# Altium PCB Dashcam BB V2.0 A.PcbDoc (part 1 of 2)
Units mm, origin at the board's own origin, x right, y up, seen from the top; angles counter-clockwise.
Board outline 37 x 25 mm, 4 copper layers (Top Layer, Internal L1, Internal L2, Bottom Layer), stack 1.542 mm thick; 284 components, 192 nets, 1111 pads, 0 vias.
Unrouted connection lines stored in the file: 658.
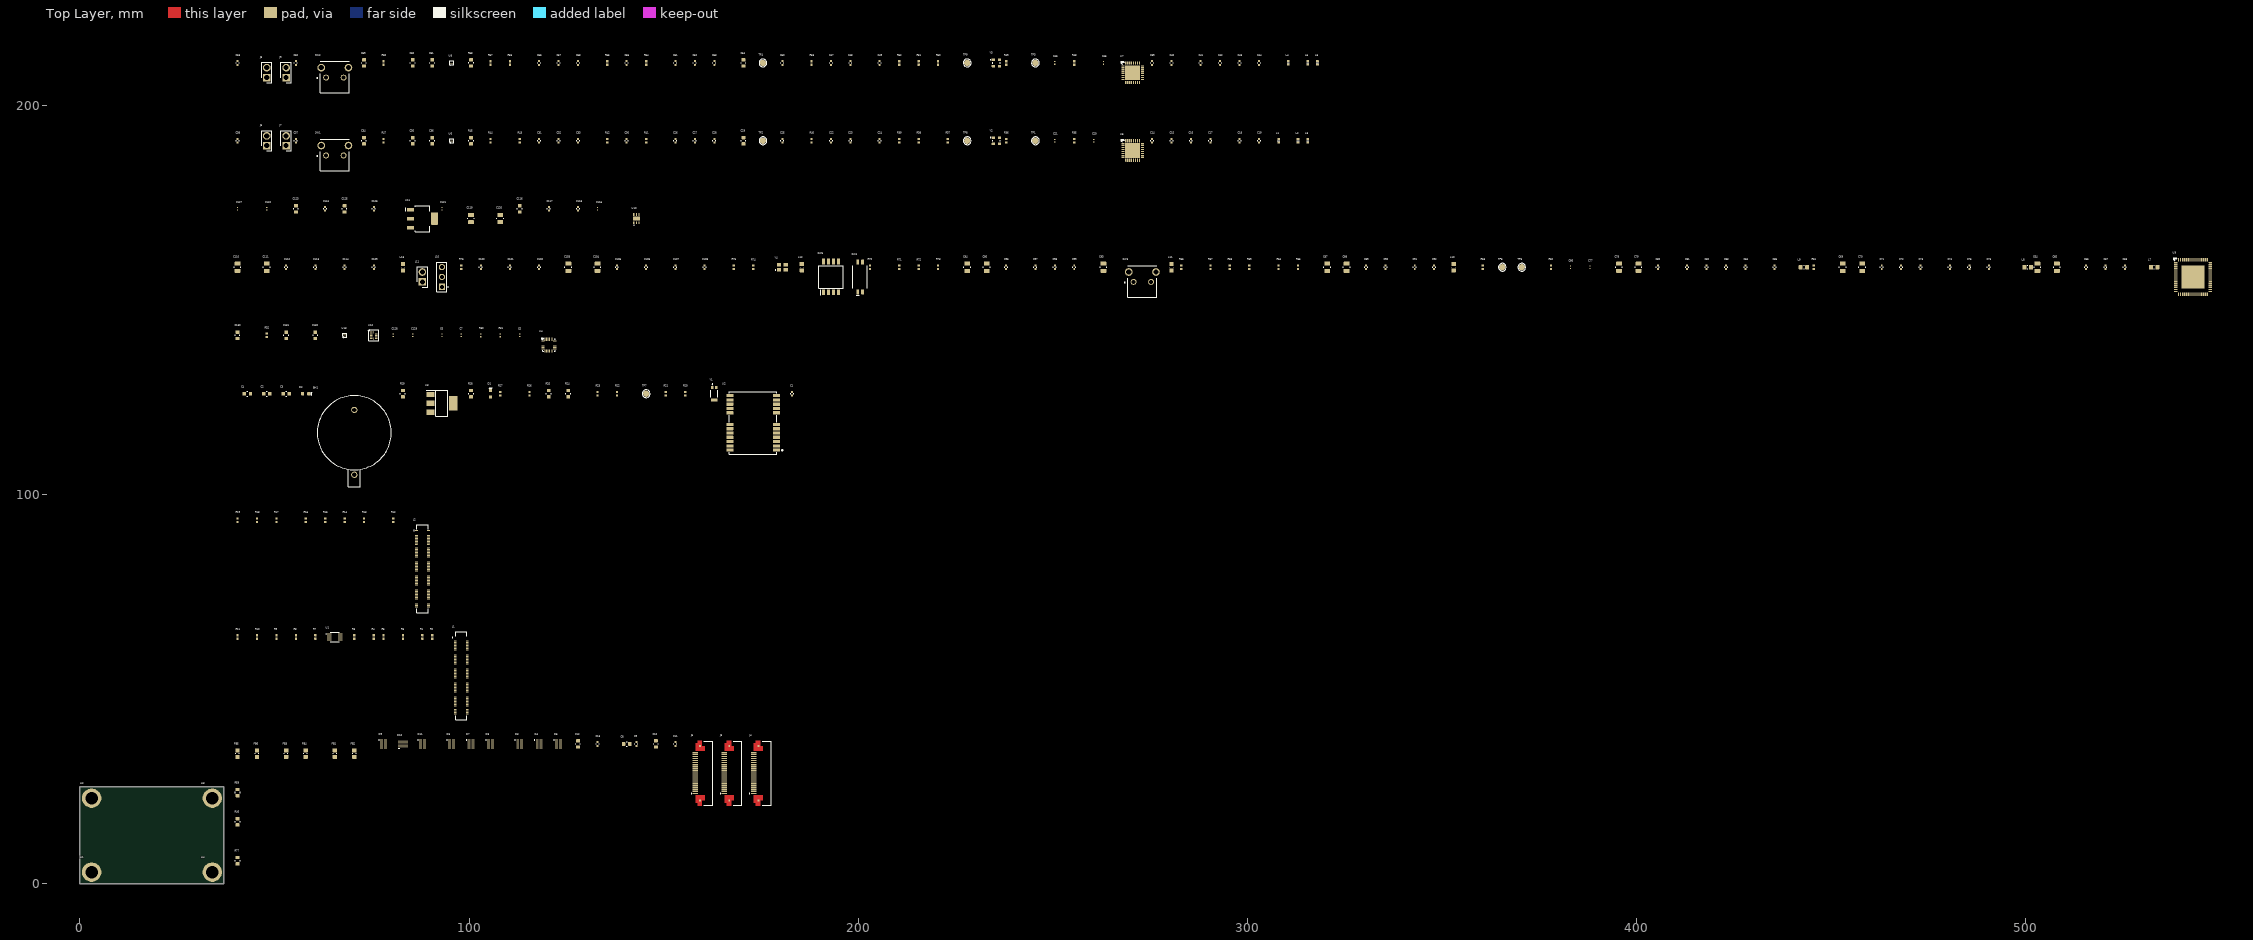
[diagram p0: Top Layer view]
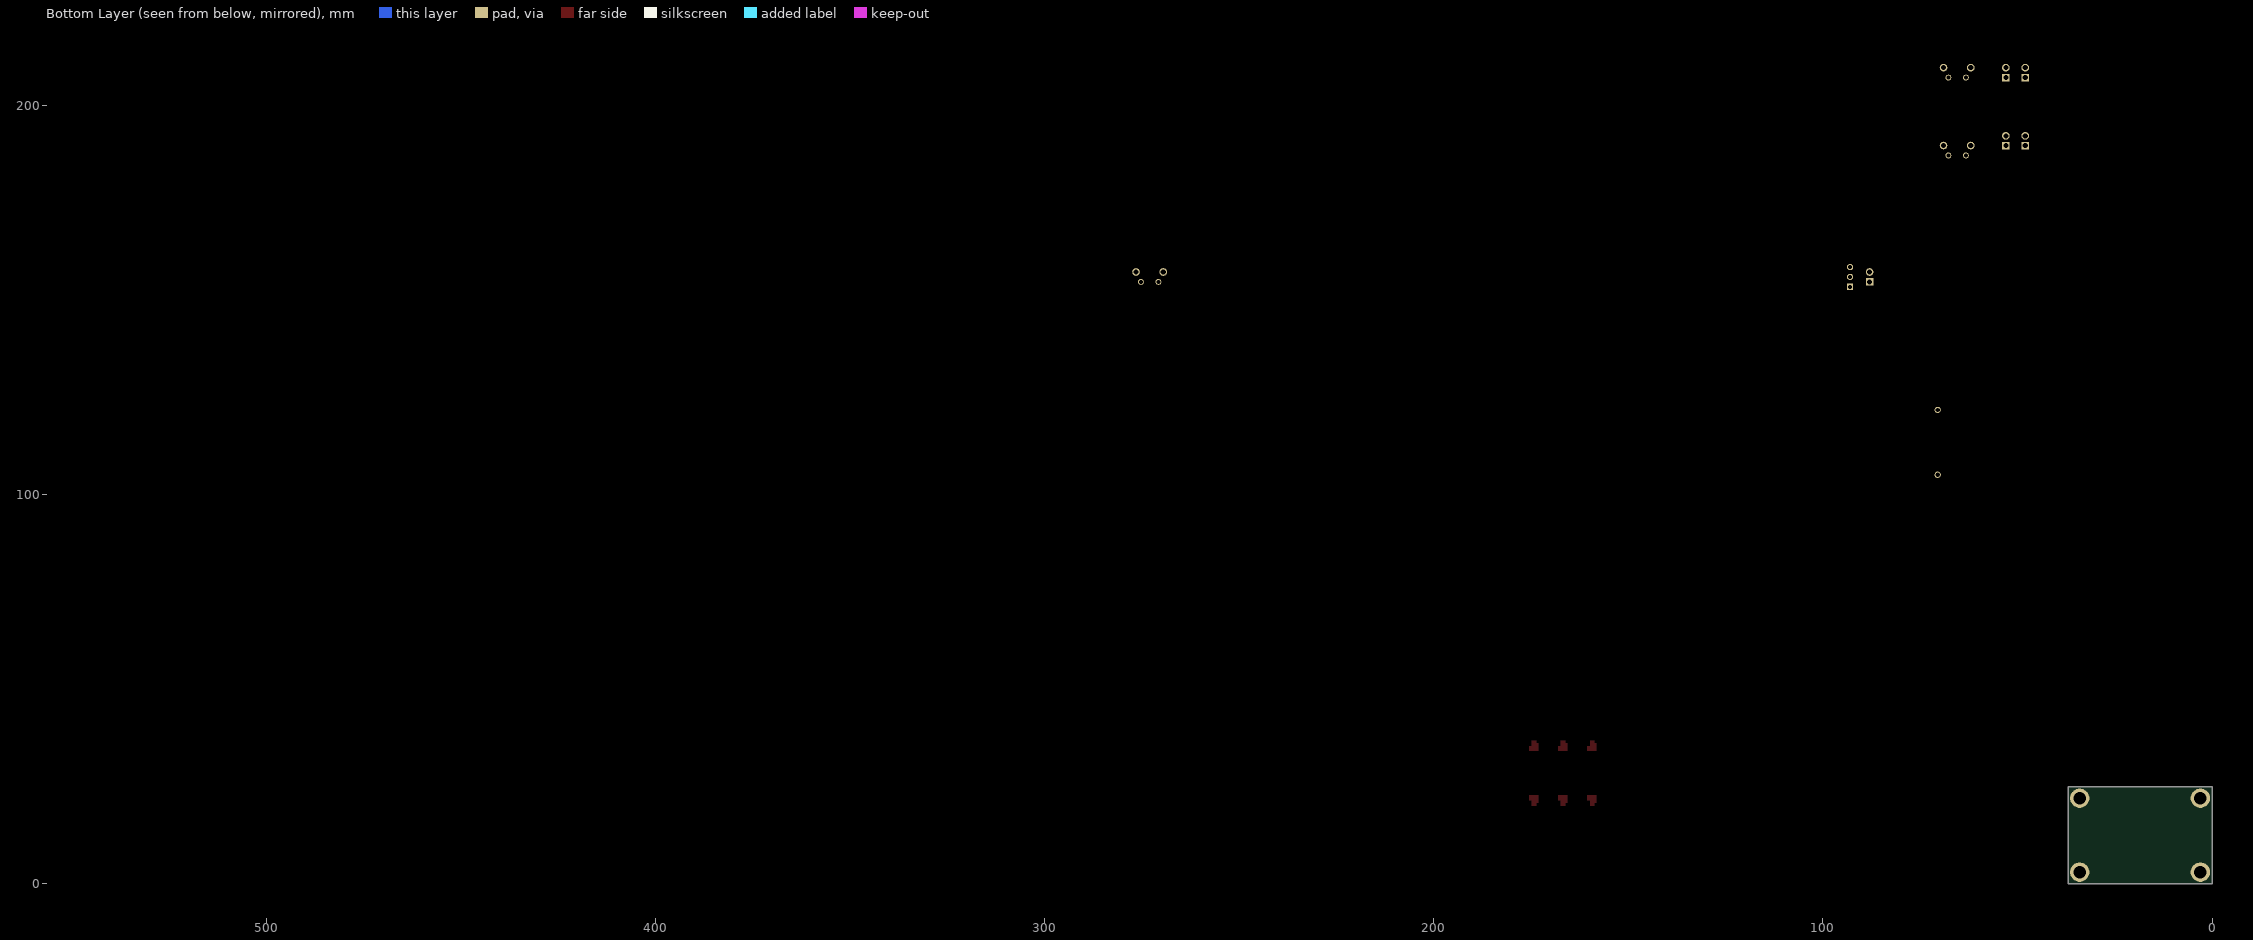
[diagram p1: Bottom Layer view, seen from below]

## Layer stack, top to bottom
Top Solder: solder mask 0.035, SM-001, Dk 4
Top Layer: signal copper 0.035
Dielectric 2: prepreg 0.0711, PP-006, Dk 4.1
Internal L1: signal copper 0.035
Dielectric 1: core 1.26, FR4, Dk 4.6
Internal L2: signal copper 0.035
Dielectric 3: prepreg 0.0711, PP-006, Dk 4.1
Bottom Layer: signal copper 0.035
Bottom Solder: solder mask 0.035, SM-001, Dk 4

## Board outline
0,0 37,0 37,25 0,25

## Design rules (kind name [scope] priority, off if disabled: settings)
AcuteAngle [All] p1: minimum=3.00000000000000E+0001 checktracksonly=TRUE
BoardOutlineClearance [All] p1: gap=0.254 ignorepadtopadclearanceinfootprint=FALSE
Clearance Clearance_Z90 [InNetClass('Z90') vs InNetClass('Z90')] p1: gap=0.25 ignorepadtopadclearanceinfootprint=FALSE except(0.1: Arc-Arc Arc-Track Arc-SMDPad Arc-THPad Track-Track Track-SMDPad Track-THPad SMDPad-SMDPad)
Clearance Clearance_Q4 [InComponent('Q4')] p2: gap=0.1 ignorepadtopadclearanceinfootprint=FALSE
Clearance Clearance_U7 [InComponent('U7')] p3: gap=0.1 ignorepadtopadclearanceinfootprint=FALSE
Clearance Clearance_U4 [InComponent('U4')] p4: gap=0.1 ignorepadtopadclearanceinfootprint=FALSE
Clearance Clearance_U2 [InComponent('U2')] p5: gap=0.1 ignorepadtopadclearanceinfootprint=FALSE
Clearance Clearance_J1 [InComponent('J1')] p6: gap=0.1 ignorepadtopadclearanceinfootprint=FALSE
Clearance [All] p7: gap=0.25 ignorepadtopadclearanceinfootprint=FALSE
DiffPairsRouting [InDifferentialPairClass('Z90')] p1: maxlimit=0.127 minlimit=0.127 mostfreqgap=0.127 toplayer_minwidth=0.127 toplayer_maxwidth=0.127 toplayer_prefwidth=0.127 midlayer1_minwidth=0.08 midlayer1_maxwidth=0.08 midlayer1_prefwidth=0.08 midlayer2_minwidth=0.08 midlayer2_maxwidth=0.08 midlayer2_prefwidth=0.08 bottomlayer_minwidth=0.127 bottomlayer_maxwidth=0.127 bottomlayer_prefwidth=0.127 impedanceprofiledriven=TRUE impedanceprofileid={69C824A2-F5A8-4112-8FE3-B2C60D175B77} impedanceprofilevalue=90.000000 maxuncoupledlength=12.7
FabricationTestpoint [All] p1: side=3 testpointundercomponent=TRUE minsize=1 maxsize=3 preferedsize=1 minholesize=0 maxholesize=1 preferedholesize=0.3 testpointgrid=0.025 allowsidetop=TRUE allowsidebottom=TRUE usegrid=TRUE gridtolerance=0
HoleSize [All] p1: absolutevalues=TRUE maxlimit=6.2 minlimit=0.3 maxpercent=80.000 minpercent=20.000
MatchedLengths MatchedLengths_USB [InDifferentialPairClass('Z90')] p1: tolerance=0.1 checknetsindiffpair=TRUE checkdiffpairvsdiffpair=FALSE checkxsignals=FALSE checkothers=FALSE
MinimumAnnularRing [All] p1: minimumring=0.1
MinimumSolderMaskSliver [All] p1: minsoldermaskwidth=0.05
NetAntennae [InNet('AC1')and InNet('AC2') and InNet('AC1_A')and InNet('NetBR1_1')and InNet('NetBR1_2')] p1: netantennaetolerance=80
PolygonConnect PolygonConnect_11 [All vs IsNamedPolygon('GND_BOT_PLANE')] p1: connectstyle=Direct reliefconductorwidth=0.254 reliefentries=4 polygonreliefangle="90 Angle" airgapwidth=0.254
PolygonConnect PolygonConnect_10 [All vs IsNamedPolygon('SW')] p2: connectstyle=Direct reliefconductorwidth=0.254 reliefentries=4 polygonreliefangle="90 Angle" airgapwidth=0.254
PolygonConnect PolygonConnect_9 [All vs IsNamedPolygon('3V3_L01_P019') Or IsNamedPolygon('3V3_L01_P020') Or IsNamedPolygon('5V_L01_P000') Or IsNamedPolygon('5V_L01_P018') Or IsNamedPolygon('NETC35_2_L01_P013') Or IsNamedPolygon('NETFB1_1_L01_P001') Or IsNamedPolygon('NETFB2_1_L01_P002') Or IsNamedPolygon('NETQ6_1_L01_P014') Or IsNamedPolygon('VBAT_L01_P021') Or IsNamedPolygon('VBAT_L01_P025') Or IsNamedPolygon('VBUS_A_L01_P024') Or IsNamedPolygon('VBUS_L01_P022') Or IsNamedPolygon('VBUS_L01_P023') Or IsNamedPolygon('VD+_L01_P003') Or IsNamedPolygon('VD-_L01_P004') Or IsNamedPolygon('VSYS_L01_P015') Or IsNamedPolygon('VSYS_L01_P016') Or IsNamedPolygon('VSYS_L01_P017')] p3: connectstyle=Direct reliefconductorwidth=0.254 reliefentries=4 polygonreliefangle="90 Angle" airgapwidth=0.254
PolygonConnect PolygonConnect_8 [All vs IsNamedPolygon('5V_L01_P000') Or IsNamedPolygon('NETFB1_1_L01_P001') Or IsNamedPolygon('NETFB2_1_L01_P002') Or IsNamedPolygon('VD+_L01_P003') Or IsNamedPolygon('VD-_L01_P004')] p4: connectstyle=Direct reliefconductorwidth=0.254 reliefentries=4 polygonreliefangle="90 Angle" airgapwidth=0.254
PolygonConnect PolygonConnect_7 [All vs IsNamedPolygon('NETFB1_1_L01_P001') Or IsNamedPolygon('NETFB2_1_L01_P002')] p5: connectstyle=Direct reliefconductorwidth=0.254 reliefentries=4 polygonreliefangle="90 Angle" airgapwidth=0.254
PolygonConnect PolygonConnect_6 [All vs IsNamedPolygon('5V_L01_P000')] p6: connectstyle=Direct reliefconductorwidth=0.254 reliefentries=4 polygonreliefangle="90 Angle" airgapwidth=0.254
PolygonConnect PolygonConnect_5 [All vs IsNamedPolygon('5V_L01_P000')] p7: connectstyle=Relief reliefconductorwidth=0.254 reliefentries=4 polygonreliefangle="90 Angle" airgapwidth=0.254
PolygonConnect PolygonConnect_4 [All vs IsNamedPolygon('AC1_A_L01_P002') Or IsNamedPolygon('AC1_L01_P000') Or IsNamedPolygon('AC2_L01_P001') Or IsNamedPolygon('GND_L01_P006') Or IsNamedPolygon('GND_AMP_TOP') Or IsNamedPolygon('NETBR1_1_L01_P004') Or IsNamedPolygon('NETBR1_2_L01_P010') Or IsNamedPolygon('VIN_L01_P005') Or IsNamedPolygon('GND_L02_P007') Or IsNamedPolygon('GND_MIC_L1')] p8: connectstyle=Direct reliefconductorwidth=0.254 reliefentries=4 polygonreliefangle="90 Angle" airgapwidth=0.254
PolygonConnect PolygonConnect_3 [All vs IsNamedPolygon('3V3_L01_P010') Or IsNamedPolygon('5V_L01_P013') Or IsNamedPolygon('GND_L01_P011') Or IsNamedPolygon('NETD1_2_L01_P004') Or IsNamedPolygon('VIN_L01_P007') Or IsNamedPolygon('VUSB_FIL_L01_P003') Or IsNamedPolygon('VUSB_L01_P000') Or IsNamedPolygon('GND_L02_P012') Or IsNamedPolygon('VUSB_L02_P001')] p9: thpad.connectstyle=Relief thpad.reliefconductorwidth=0.254 thpad.reliefentries=4 thpad.polygonreliefangle="90 Angle" thpad.airgapwidth=0.254 smdpad.connectstyle=Direct smdpad.reliefconductorwidth=0.254 smdpad.reliefentries=4 smdpad.polygonreliefangle="90 Angle" smdpad.airgapwidth=0.254 via.connectstyle=Relief via.reliefconductorwidth=0.254 via.reliefentries=4 via.polygonreliefangle="90 Angle" via.airgapwidth=0.254
PolygonConnect PolygonConnect_2 [All vs IsNamedPolygon('3V3_L01_P010') Or IsNamedPolygon('5V_L01_P009') Or IsNamedPolygon('GND_L01_P011') Or IsNamedPolygon('NETD1_2_L01_P004') Or IsNamedPolygon('VIN_L01_P007') Or IsNamedPolygon('VUSB_FIL_L01_P003') Or IsNamedPolygon('VUSB_L01_P000') Or IsNamedPolygon('GND_L02_P012') Or IsNamedPolygon('VUSB_L02_P001')] p10: thpad.connectstyle=Relief thpad.reliefconductorwidth=0.254 thpad.reliefentries=4 thpad.polygonreliefangle="90 Angle" thpad.airgapwidth=0.254 smdpad.connectstyle=Direct smdpad.reliefconductorwidth=0.254 smdpad.reliefentries=4 smdpad.polygonreliefangle="90 Angle" smdpad.airgapwidth=0.254 via.connectstyle=Relief via.reliefconductorwidth=0.254 via.reliefentries=4 via.polygonreliefangle="90 Angle" via.airgapwidth=0.254
PolygonConnect PolygonConnect_1 [All vs IsNamedPolygon('3V3_L01_P010') Or IsNamedPolygon('5V_L01_P009') Or IsNamedPolygon('GND_L01_P011') Or IsNamedPolygon('NETD1_2_L01_P004') Or IsNamedPolygon('VIN_L01_P007') Or IsNamedPolygon('VUSB_FIL_L01_P003') Or IsNamedPolygon('VUSB_L01_P000') Or IsNamedPolygon('GND_L02_P012') Or IsNamedPolygon('VUSB_L02_P001')] p11: thpad.connectstyle=Relief thpad.reliefconductorwidth=0.254 thpad.reliefentries=4 thpad.polygonreliefangle="90 Angle" thpad.airgapwidth=0.254 smdpad.connectstyle=Direct smdpad.reliefconductorwidth=0.254 smdpad.reliefentries=4 smdpad.polygonreliefangle="90 Angle" smdpad.airgapwidth=0.254 via.connectstyle=Relief via.reliefconductorwidth=0.254 via.reliefentries=4 via.polygonreliefangle="90 Angle" via.airgapwidth=0.254
PolygonConnect [All] p12: connectstyle=Relief reliefconductorwidth=0.254 reliefentries=4 polygonreliefangle="90 Angle" airgapwidth=0.15
RoutingVias [All] p1: holewidth=0.3 width=0.6 viastyle="Through Hole" minholewidth=0.3 minwidth=0.6 maxholewidth=0.7 maxwidth=1
SMDEntry [All] p1: side=TRUE corner=TRUE anyangle=TRUE
SMDNeckDown [All] p1: percent=1000.000
SMDToCorner [All] p1: distance=59055
SMDToPlane [All] p1: distance=59055
SilkToSilkClearance [All] p1: silktosilkclearance=0.05
SilkToSolderMaskClearance [IsPad] p1: minsilkscreentomaskgap=0.05 clearancetoexposedcopper=TRUE
SolderMaskExpansion [All] p1: expansion=0.1 istentingtop=FALSE
UnConnectedPin [All] p1 off:
Width [All] p1: maxlimit=2 minlimit=0.15 preferedwidth=0.5 midlayer1_maxwidth=0.254 midlayer1_prefwidth=0.254 midlayer2_maxwidth=0.254 midlayer2_prefwidth=0.254 minimp=50.000000 maximp=50.000000 favimp=50.000000
23 further rules are at their usual default settings.

## Classes and differential pairs
differential pair class DIFF100: CSI0_D0 CSI0_D1 CSI0_D2 CSI0_D3 CSI1_CK CSI1_D0 CSI1_D1 CSI1_D2 CSI1_D3 CSI3_CK CSI3_D0 CSI3_D1 CSI3_D2 CSI3_D3
net class Z50: GPS_ANT
component class U_MIPI_SER2: C39 C40 C41 C42 C43 C44 C45 C46 C47 C48 C49 C50 C51 C52 C53 C54 C55 C56 C57 C58 C59 C60 C61 C62 C63 J8 J9 L4 L5 L6 R48 R49 R50 R51 R52 R53 R54 R55 R56 R57 R58 R59 R60 SW2 TP3 TP4 TP9 U7 U8 Y3
component class U_MIPI_SER1: C14 C15 C16 C17 C18 C19 C20 C21 C22 C23 C24 C25 C26 C27 C28 C29 C30 C31 C32 C33 C34 C35 C36 C37 C38 J6 J7 L1 L2 L3 R35 R36 R37 R38 R39 R40 R41 R42 R43 R44 R45 R46 R47 SW1 TP1 TP2 TP8 U5 U6 Y2
component class U_MIPI_DES: C64 C65 C66 C67 C68 C69 C70 C71 C72 C73 C74 C75 C76 C77 C78 C79 C80 C81 C82 C83 C84 C85 C86 C87 C88 C89 C90 C91 C92 C93 C94 C95 C96 C97 C98 C99 C100 C101 C102 C103 C104 C105 C106 C107 C108 C109 C110 C111 C112 C113 C114 J10 J11 L7 L8 L9 L10 L11 L12 L13 R61 R62 R63 R64 R65 R66 R67 R68 R69 R70 R71 R72 R73 R74 R75 R76 R77 SW3 SW4 SW5 TP5 TP6 U9 Y4
component class U_MIPI_DES_POC: C115 C116 C117 C118 C119 C120 C121 C122 C123 C124 C125 C126 C127 U10 U11
component class U_IMU: C5 C6 C7 C128 C129 C130 C131 C132 R30 R31 R32 U4 U12 U13
component class U_CAM_CONN: C8 C9 C10 C11 C12 C13 D3 D4 D5 D6 D7 D8 D9 D10 D11 FB1 FB2 FB3 FB4 FB5 FB6 J3 J4 J5
differential pair CSI3_D3: +CSI3_D3_P -CSI3_D3_N
differential pair CSI3_D2: +CSI3_D2_P -CSI3_D2_N
differential pair CSI3_D1: +CSI3_D1_P -CSI3_D1_N
differential pair CSI3_D0: +CSI3_D0_P -CSI3_D0_N
differential pair CSI3_CK: +CSI3_CK_P -CSI3_CK_N
differential pair CSI1_D3: +CSI1_D3_P -CSI1_D3_N
differential pair CSI1_D2: +CSI1_D2_P -CSI1_D2_N
differential pair CSI1_D1: +CSI1_D1_P -CSI1_D1_N
differential pair CSI1_D0: +CSI1_D0_P -CSI1_D0_N
differential pair CSI1_CK: +CSI1_CK_P -CSI1_CK_N
differential pair CSI0_D3: +CSI0_D3_P -CSI0_D3_N
differential pair CSI0_D2: +CSI0_D2_P -CSI0_D2_N
differential pair CSI0_D1: +CSI0_D1_P -CSI0_D1_N
differential pair CSI0_D0: +CSI0_D0_P -CSI0_D0_N

## Components (designator, comment, footprint, x,y, rotation, side; value= is the part's Value field where it differs from the comment)
BH1 "BH600" MECH_BATTERY_HOLDER_BH600 70.5,113.45 r0 top
C1 "CC0402KRX5R8BB104" CAP_0402_CAPC1005X05N 183,125.95 r90 top
C2 "GRM188R61C106MAALD" CAP_0603_CAPC1608X08N 48,125.95 r0 top
C3 "GRM188R61C106MAALD" CAP_0603_CAPC1608X08N 53,125.95 r0 top
C4 "CL10A105KO8NNNC" CAP_0603_CAPC1608X08N 43,125.95 r0 top
C5 "C0201C104K7PAC7867" CAP_0201_CAPC0603X03N 113,140.95 r90 top
C6 "C0201C104K7PAC7867" CAP_0201_CAPC0603X03N 93,140.95 r90 top
C7 "C0201C104K7PAC7867" CAP_0201_CAPC0603X03N 98,140.95 r90 top
C8 "C1608X5R1A226M080AC" CAP_0603_CAPC1608X08N 140.5,35.95 r0 top
C9 "CC0402KRX5R8BB104" CAP_0402_CAPC1005X05N 143,35.95 r90 top
C10 "C1608X5R1A226M080AC" CAP_0603_CAPC1608X08N 148,35.95 r90 top
C11 "CC0402KRX5R8BB104" CAP_0402_CAPC1005X05N 153,35.95 r90 top
C12 "C1608X5R1A226M080AC" CAP_0603_CAPC1608X08N 128,35.95 r90 top
C13 "CC0402KRX5R8BB104" CAP_0402_CAPC1005X05N 133,35.95 r90 top
C14 "GRM155R71H103KA88D" CAP_0402_CAPC1005X05N 275.5,190.95 r90 top
C15 "CL05B105KQ5NQNC" CAP_0402_CAPC1005X05N 280.5,190.95 r90 top
C16 "GRM155R71H103KA88D" CAP_0402_CAPC1005X05N 285.5,190.95 r90 top
C17 "CL05B105KQ5NQNC" CAP_0402_CAPC1005X05N 290.5,190.95 r90 top
C18 "GRM155R71H103KA88D" CAP_0402_CAPC1005X05N 298,190.95 r90 top
C19 "CL05B105KQ5NQNC" CAP_0402_CAPC1005X05N 303,190.95 r90 top
C20 "GRM033R60J333KE01D" CAP_0201_CAPC0603X03N 260.5,190.95 r90 top
C21 "GRM033R60J153KE01D" CAP_0201_CAPC0603X03N 250.5,190.95 r90 top
C22 "CL05A106MQ5NUNC" CAP_0402_CAPC1005X05N 193,190.95 r90 top
C23 "GRM155R71H104KE14D" CAP_0402_CAPC1005X05N 198,190.95 r90 top
C24 "GRM155R71H103KA88D" CAP_0402_CAPC1005X05N 205.5,190.95 r90 top
C25 "GRM155R71H104KE14D" CAP_0402_CAPC1005X05N 180.5,190.95 r90 top
C26 "CL05A106MQ5NUNC" CAP_0402_CAPC1005X05N 153,190.95 r90 top
C27 "GRM155R71H104KE14D" CAP_0402_CAPC1005X05N 158,190.95 r90 top
C28 "GRM155R71H103KA88D" CAP_0402_CAPC1005X05N 163,190.95 r90 top
C29 "C0603C223K4RACTU" CAP_0603_CAPC1608X08N 170.5,190.95 r90 top
C30 "GRM155R71H104KE14D" CAP_0402_CAPC1005X05N 140.5,190.95 r90 top
C31 "CL05A106MQ5NUNC" CAP_0402_CAPC1005X05N 118,190.95 r90 top
C32 "GRM155R71H104KE14D" CAP_0402_CAPC1005X05N 123,190.95 r90 top
C33 "GRM155R71H103KA88D" CAP_0402_CAPC1005X05N 128,190.95 r90 top
C34 "CL10A105KO8NNNC" CAP_0603_CAPC1608X08N 73,190.95 r90 top
C35 "CL10A105KO8NNNC" CAP_0603_CAPC1608X08N 85.5,190.95 r90 top
C36 "GRM188R61C106MAALD" CAP_0603_CAPC1608X08N 90.5,190.95 r90 top
C37 "GRM155R71H104KE14D" CAP_0402_CAPC1005X05N 55.5,190.95 r90 top
C38 "CL05B105KQ5NQNC" CAP_0402_CAPC1005X05N 40.5,190.95 r90 top
C39 "GRM155R71H103KA88D" CAP_0402_CAPC1005X05N 275.5,210.95 r90 top
C40 "CL05B105KQ5NQNC" CAP_0402_CAPC1005X05N 280.5,210.95 r90 top
C41 "GRM155R71H103KA88D" CAP_0402_CAPC1005X05N 288,210.95 r90 top
C42 "CL05B105KQ5NQNC" CAP_0402_CAPC1005X05N 293,210.95 r90 top
C43 "GRM155R71H103KA88D" CAP_0402_CAPC1005X05N 298,210.95 r90 top
C44 "CL05B105KQ5NQNC" CAP_0402_CAPC1005X05N 303,210.95 r90 top
C45 "GRM033R60J333KE01D" CAP_0201_CAPC0603X03N 263,210.95 r90 top
C46 "GRM033R60J153KE01D" CAP_0201_CAPC0603X03N 250.5,210.95 r90 top
C47 "CL05A106MQ5NUNC" CAP_0402_CAPC1005X05N 193,210.95 r90 top
C48 "GRM155R71H104KE14D" CAP_0402_CAPC1005X05N 198,210.95 r90 top
C49 "GRM155R71H103KA88D" CAP_0402_CAPC1005X05N 205.5,210.95 r90 top
C50 "GRM155R71H104KE14D" CAP_0402_CAPC1005X05N 180.5,210.95 r90 top
C51 "CL05A106MQ5NUNC" CAP_0402_CAPC1005X05N 153,210.95 r90 top
C52 "GRM155R71H104KE14D" CAP_0402_CAPC1005X05N 158,210.95 r90 top
C53 "GRM155R71H103KA88D" CAP_0402_CAPC1005X05N 163,210.95 r90 top
C54 "C0603C223K4RACTU" CAP_0603_CAPC1608X08N 170.5,210.95 r90 top
C55 "GRM155R71H104KE14D" CAP_0402_CAPC1005X05N 140.5,210.95 r90 top
C56 "CL05A106MQ5NUNC" CAP_0402_CAPC1005X05N 118,210.95 r90 top
C57 "GRM155R71H104KE14D" CAP_0402_CAPC1005X05N 123,210.95 r90 top
C58 "GRM155R71H103KA88D" CAP_0402_CAPC1005X05N 128,210.95 r90 top
C59 "CL10A105KO8NNNC" CAP_0603_CAPC1608X08N 73,210.95 r90 top
C60 "CL10A105KO8NNNC" CAP_0603_CAPC1608X08N 85.5,210.95 r90 top
C61 "GRM188R61C106MAALD" CAP_0603_CAPC1608X08N 90.5,210.95 r90 top
C62 "GRM155R71H104KE14D" CAP_0402_CAPC1005X05N 55.5,210.95 r90 top
C63 "CL05B105KQ5NQNC" CAP_0402_CAPC1005X05N 40.5,210.95 r90 top
C64 "CL21A106KAYNNNE" CAP_0805_CAPC2012X12N 503,158.45 r90 top
C65 "CL21A106KAYNNNE" CAP_0805_CAPC2012X12N 508,158.45 r90 top
C66 "C1005JB1V105K050BC" CAP_0402_CAPC1005X05N 515.5,158.45 r90 top
C67 "GRM155R71H104KE14D" CAP_0402_CAPC1005X05N 520.5,158.45 r90 top
C68 "GRM155R71H103KA88D" CAP_0402_CAPC1005X05N 525.5,158.45 r90 top
C69 "CL21A106KAYNNNE" CAP_0805_CAPC2012X12N 453,158.45 r90 top
C70 "CL21A106KAYNNNE" CAP_0805_CAPC2012X12N 458,158.45 r90 top
C71 "C1005JB1V105K050BC" CAP_0402_CAPC1005X05N 463,158.45 r90 top
C72 "GRM155R71H104KE14D" CAP_0402_CAPC1005X05N 468,158.45 r90 top
C73 "GRM155R71H103KA88D" CAP_0402_CAPC1005X05N 473,158.45 r90 top
C74 "GRM155R71H103KA88D" CAP_0402_CAPC1005X05N 480.5,158.45 r90 top
C75 "GRM155R71H103KA88D" CAP_0402_CAPC1005X05N 485.5,158.45 r90 top
C76 "GRM155R71H103KA88D" CAP_0402_CAPC1005X05N 490.5,158.45 r90 top
C77 "GRM033R60J333KE01D" CAP_0201_CAPC0603X03N 388,158.45 r90 top
C78 "CL21A106KAYNNNE" CAP_0805_CAPC2012X12N 395.5,158.45 r90 top
C79 "CL21A106KAYNNNE" CAP_0805_CAPC2012X12N 400.5,158.45 r90 top
C80 "C1005JB1V105K050BC" CAP_0402_CAPC1005X05N 405.5,158.45 r90 top